# KiCad board AMC_FMC_Carrier-PcbDoc.kicad_pcb (continued)
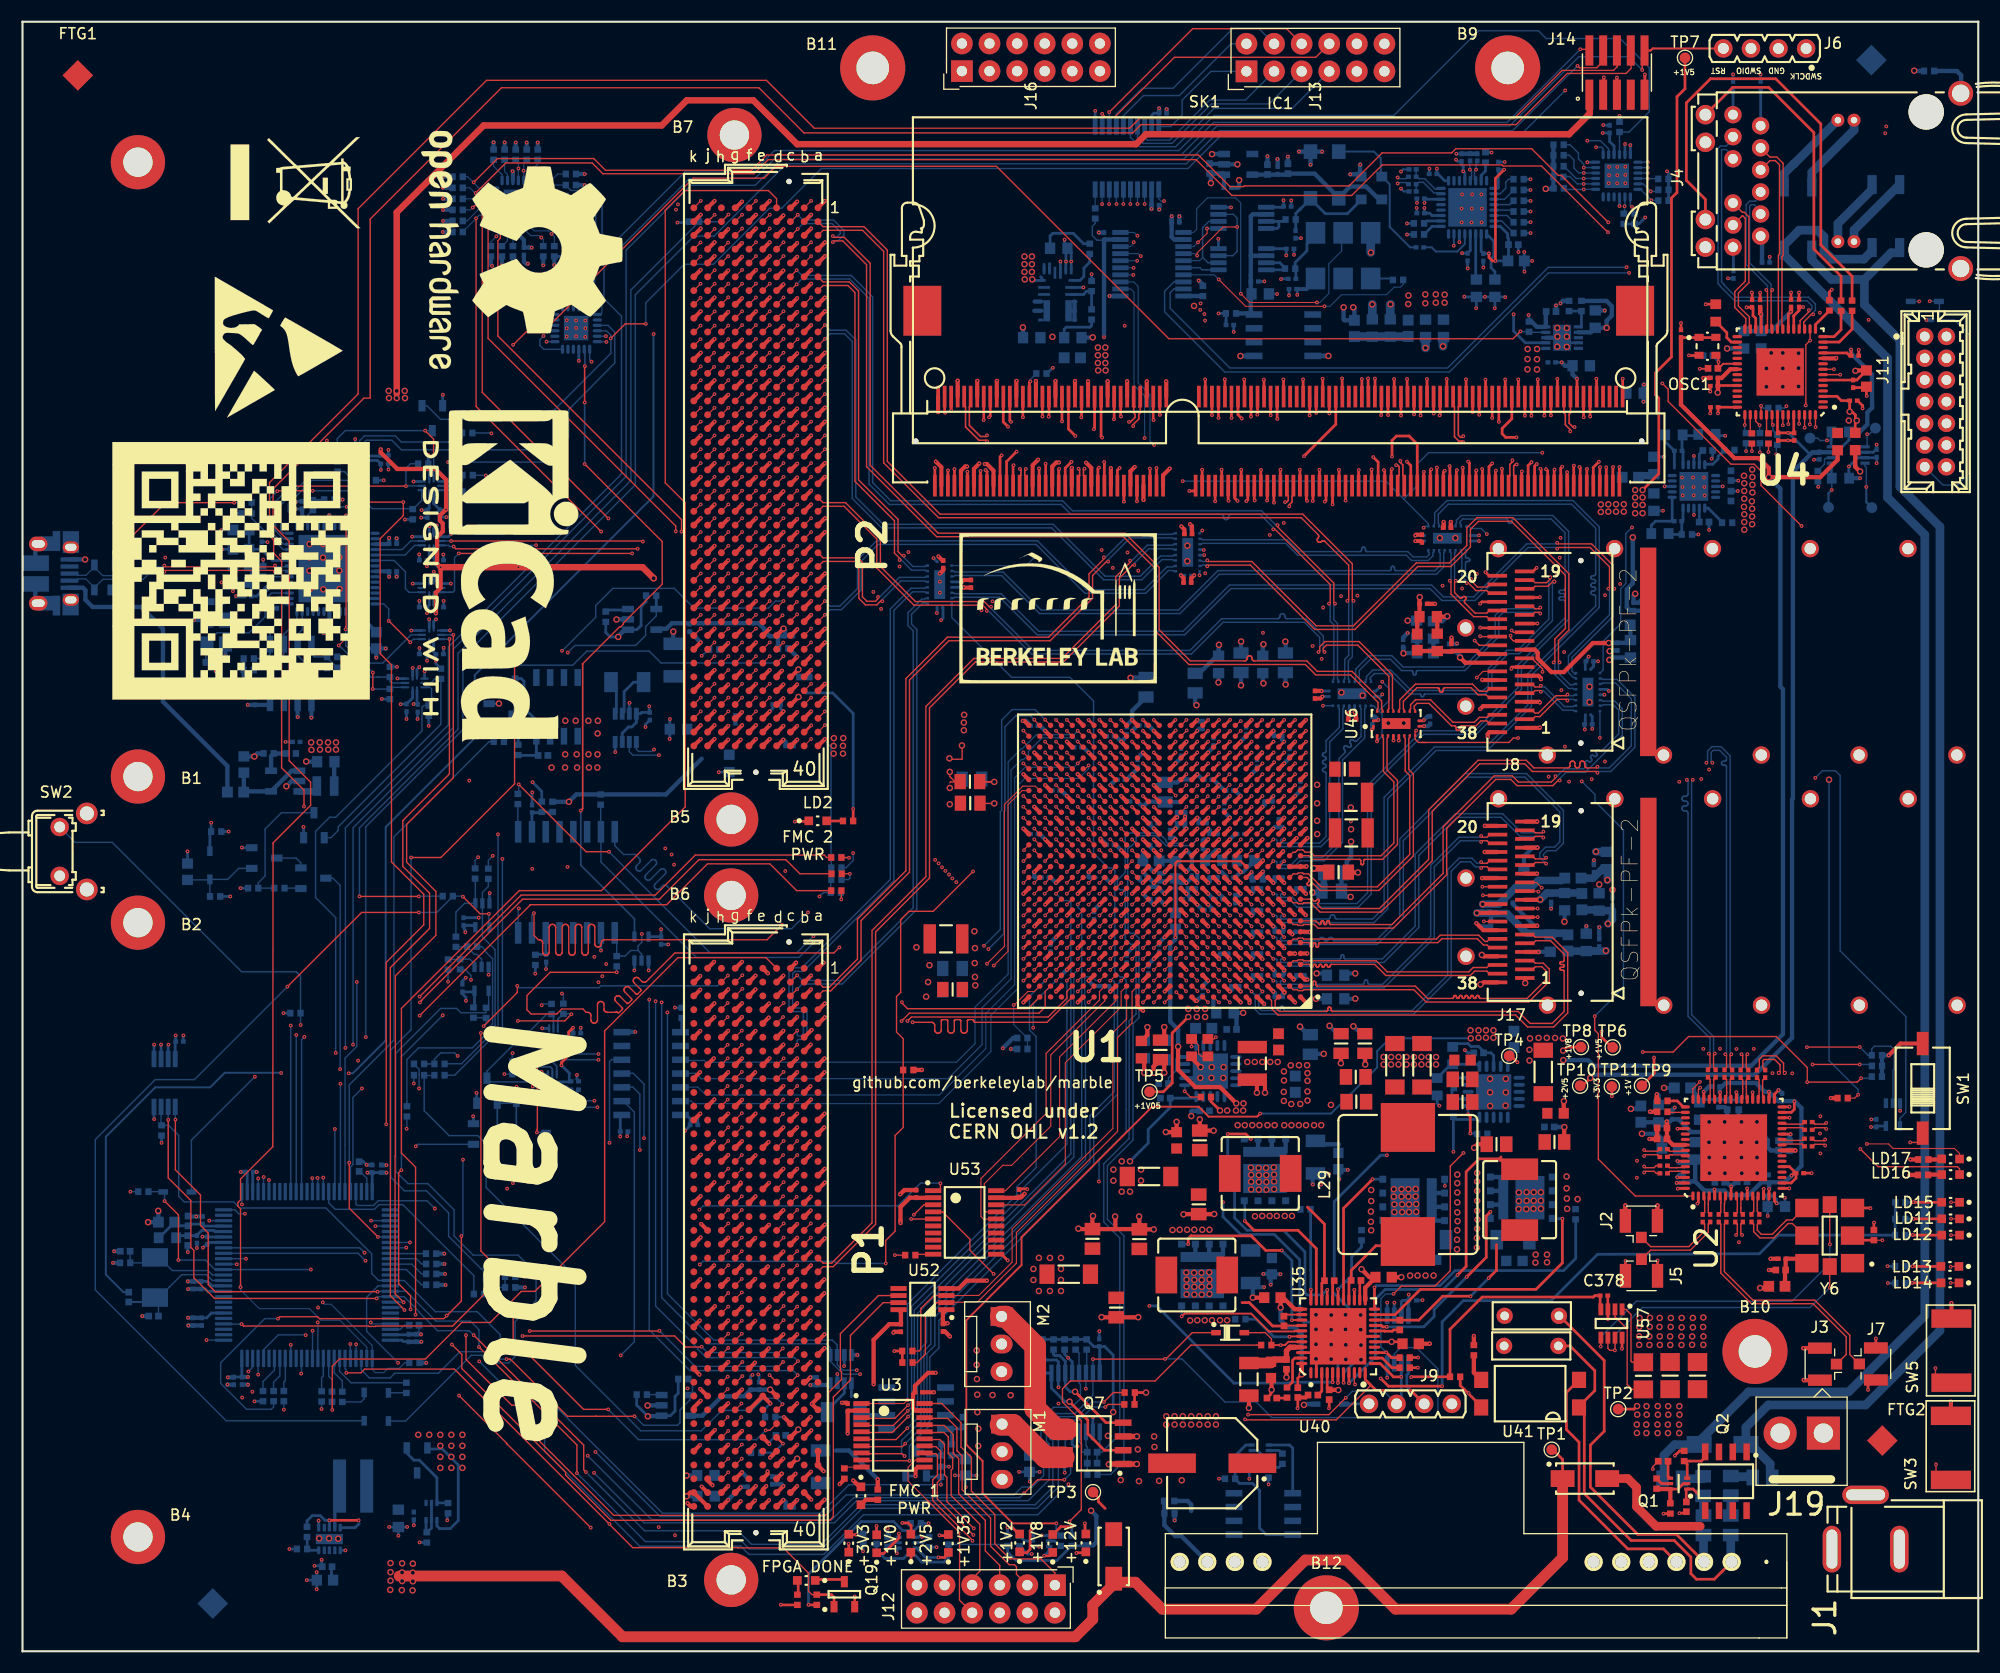
[diagram p0: board, top side]
## Routing (per net, layer and track width the routed paths; a pad name or vN(x,y) marks a point on that pad's centre or on a via; arc(x,y) is an arc through that point) (continued)
/FMC2_TDO: length 43.8
  Top w0.127: P2.D31 69.4,94.82 v1(69.95,95.37)
  In4.Cu w0.127: v1(69.95,95.37) 69.59,95.01 55.74,95.01 53.92,93.19 53.92,93.01 44.37,83.45 44.37,74.31 v1(43.28,73.22)
  GND5.Cu w0.127: 43.45,73.39 v1(43.28,73.22)
  Bottom w0.127: 42.89,72.04 R280.1 42.87,72.81 v1(43.28,73.22)
/FMC2_TMS: length 63.6
  Top w0.127: P2.D33 69.4,92.24 v1(70.01,92.85)
  In4.Cu w0.127: v1(70.01,92.85) 69.56,93.31 55.51,93.31 55.43,93.23 55.39,93.23 44.89,82.73 44.89,73.66 v1(44.17,72.94)
  GND5.Cu w0.127: 44.34,73.11 v1(44.17,72.94)
  Bottom w0.127: 38.8,53.03 39.77,53.03 44.17,57.42 v1(44.17,72.94)
/FMC2_TRST: length 93.8
  Top w0.112: P2.D34 v1(70.04,91.6)
  Top w0.127: v1(45.46,90.77) 45.29,90.6 45.29,79.85 38.5,73.07 v1(35.76,73.07)
  Bottom w0.127: R289.1 42.23,35.18 39.21,38.2 39.21,40.35 37.18,42.38 35.15,42.38 33.89,43.64 33.89,55.35 35.76,57.22 v1(35.76,73.07) ; v1(70.04,91.6) 69.42,90.97 58.77,90.97 57.68,92.07 51.94,92.07 50.64,90.77 v1(45.46,90.77)
/FMC_1/FMC1_3P3VAUX: length 9.2
  Top w0.4: P1.D32 68.82,24.08 v2(68.81,24.08)
  Bottom w0.4: 61.42,21.68 62.57,21.68 64.36,23.47 66.42,23.47 67,24.05 C66.1 67.01,24.08 v2(68.81,24.08)
/FMC_1/FMC1_CLK0_M2C_N: length 45.3
  Top w0.11: U1.E17 v1(101.12,63.73)
  Top w0.112: v1(64.9,58.38) 64.32,57.8 P1.H5
  In7.Cu w0.1: v1(64.9,58.38) 65.41,58.89 75.98,58.89 78.32,56.55 97.84,56.55 99.77,58.48 99.77,59.54 99.77,59.55 99.77,59.88 99.77,59.88 99.77,61.56 99.77,61.56 99.77,61.9 99.95,62.08 99.96,62.08 99.97,62.09 100.41,62.09 100.77,62.45 100.77,62.56 100.77,62.56 100.77,62.9 100.77,62.9 100.77,63.95 100.91,64.09 101.07,64.09 101.12,64.04 v1(101.12,63.73)
/FMC_1/FMC1_CLK0_M2C_P: length 45.3
  Top w0.11: U1.F17 v1(101.12,64.73)
  Top w0.112: v1(64.9,59.68) 64.32,59.1 P1.H4
  In7.Cu w0.1: v1(101.12,64.73) 101.12,64.43 101.07,64.38 100.79,64.38 100.48,64.07 100.48,63.02 100.48,63.02 100.48,62.57 100.29,62.38 99.85,62.38 99.84,62.37 99.83,62.37 99.48,62.02 99.48,61.44 99.48,59.42 99.48,58.6 97.72,56.84 78.44,56.84 76.11,59.18 65.41,59.18 v1(64.9,59.68)
/FMC_1/FMC1_CLK1_M2C_N: length 42.9
  Top w0.11: U1.D18 100.12,62.73 v1(100.12,62.73)
  Top w0.112: P1.G3 65.6,60.33 v1(66.25,60.98)
  In7.Cu w0.1: v1(100.12,62.73) 99.76,63.09 98.96,63.09 98.77,62.89 98.77,60.56 98.77,60.56 98.77,59.37 97.96,58.56 80.35,58.56 75.12,63.8 71.08,63.8 68.74,61.46 66.73,61.46 v1(66.25,60.98)
/FMC_1/FMC1_CLK1_M2C_P: length 42.9
  Top w0.11: U1.E18 100.12,63.73 v1(100.12,63.73)
  Top w0.112: v1(66.25,62.23) 65.62,61.6 P1.G2
  In7.Cu w0.1: v1(100.12,63.73) 99.76,63.38 98.84,63.38 98.84,63.37 98.83,63.37 98.48,63.02 98.48,60.44 98.48,60.44 98.48,59.49 97.84,58.85 80.47,58.85 75.24,64.09 70.96,64.09 68.62,61.75 66.73,61.75 v1(66.25,62.23)
/FMC_1/FMC1_FUSE: length 39.4
  Top w0.127: v1(44.55,26.89) 44.9,26.89 50.16,21.63 52.83,21.63 ; 52.83,21.63 52.73,21.63 ; 52.83,21.63 v1(56.32,21.63)
  Bottom w0.127: v1(56.32,21.63) 56.34,21.63 57.16,20.81 60.28,20.81 60.51,21.03 60.51,22.22 61.42,23.12 61.42,23.58 61.67,23.83 61.67,24.68 R260.2 ; U54.78 31.18,25.9 31.92,25.16 33.83,25.16 34.26,25.59 38.28,25.59 40.26,27.57 42.85,27.57 43.53,26.89 v1(44.55,26.89)
/FMC_1/FMC1_GBTCLK0_M2C_N: length 168.5
  Top w0.112: P1.D5 69.41,57.79 v1(70,58.38)
  Top w0.13: v1(161.64,53.24) 161.75,53.35 161.75,53.98 161.25,54.48 160.29,54.48 160.18,54.36 160.18,53.74 160.39,53.53 C86.2
  In4.Cu w0.1: v1(70,58.38) 69.52,58.86 63.62,58.86 63.21,58.45 63.21,28.39 63.22,28.37 63.22,27.79 63.21,27.78 63.21,23.72 64.61,22.32 79.51,22.32 88.2,31.01 88.2,31.64 89.4,32.84 92.67,32.84 93.21,32.3 97.45,32.3 101.35,36.2 112.34,36.2 114.67,38.53 121.79,38.53 124.3,36.01 135.36,36.01 137.85,38.5 142.44,38.5 145.22,41.27 145.22,45.32 145.21,45.37 145.2,45.41 145.17,45.45 145.14,45.48 145.1,45.5 145.06,45.52 145.02,45.52 144.98,45.52 144.94,45.53 144.89,45.54 144.86,45.57 144.82,45.6 144.8,45.64 144.79,45.68 144.78,45.72 144.79,45.77 144.8,45.81 144.82,45.85 144.86,45.88 144.89,45.9 144.94,45.92 144.98,45.92 145.02,45.92 145.06,45.93 145.1,45.94 145.14,45.97 145.17,46 145.2,46.04 145.21,46.08 145.22,46.12 145.21,46.17 145.2,46.21 145.17,46.25 145.14,46.28 145.1,46.3 145.06,46.32 145.02,46.32 144.98,46.32 144.94,46.33 144.89,46.34 144.86,46.37 144.82,46.4 144.8,46.44 144.79,46.48 144.78,46.52 144.79,46.57 144.8,46.61 144.82,46.65 144.86,46.68 144.89,46.7 144.94,46.72 144.98,46.72 145.02,46.72 145.06,46.73 145.1,46.74 145.14,46.77 145.17,46.8 145.2,46.84 145.21,46.88 145.22,46.92 145.21,46.97 145.2,47.01 145.17,47.05 145.14,47.08 145.1,47.1 145.06,47.12 145.02,47.12 144.98,47.12 144.94,47.13 144.89,47.14 144.86,47.17 144.82,47.2 144.8,47.24 144.79,47.28 144.78,47.32 144.79,47.37 144.8,47.41 144.82,47.45 144.86,47.48 144.89,47.5 144.94,47.52 144.98,47.52 145.02,47.52 145.06,47.53 145.1,47.54 145.14,47.57 145.17,47.6 145.2,47.64 145.21,47.68 145.22,47.72 145.22,49.4 149.23,53.41 159.39,53.41 160.26,52.55 161.54,52.55 161.77,52.78 161.77,53.11 v1(161.64,53.24)
/FMC_1/FMC1_GBTCLK0_M2C_P: length 169.6
  Top w0.112: v1(70.05,59.68) 69.43,59.06 P1.D4
  Top w0.13: v1(162.19,53.24) 162.08,53.35 162.08,54.12 161.39,54.81 160.16,54.81 159.85,54.5 159.85,53.74 159.64,53.53 C98.2
  In4.Cu w0.1: v1(162.19,53.24) 162.06,53.11 162.06,52.66 161.66,52.26 160.13,52.26 159.27,53.12 149.35,53.12 145.51,49.28 145.51,41.15 142.56,38.21 137.97,38.21 135.48,35.72 124.18,35.72 121.67,38.24 114.79,38.24 112.46,35.91 101.47,35.91 97.57,32.01 93.09,32.01 92.55,32.55 89.52,32.55 88.49,31.52 88.49,30.89 79.63,22.03 64.49,22.03 62.92,23.6 62.92,27.9 62.93,27.91 62.93,28.25 62.92,28.27 62.92,58.57 63.5,59.15 69.52,59.15 v1(70.05,59.68)
/FMC_1/FMC1_GBTCLK1_M2C_N: length 134
  Top w0.112: 71.94,37.47 v1(72.55,38.08)
  Top w0.13: C87.2 158.65,53.7 158.65,54.85 v1(158.76,54.96)
  In4.Cu w0.1: v1(158.76,54.96) 158.63,55.09 158.63,55.76 157.92,56.47 146.29,56.47 142.29,52.47 142.25,52.44 142.21,52.42 142.17,52.41 142.12,52.41 142.08,52.42 142.04,52.44 142,52.47 141.98,52.49 141.94,52.52 141.9,52.54 141.86,52.55 141.82,52.55 141.77,52.54 141.73,52.52 141.7,52.49 141.67,52.46 141.65,52.42 141.64,52.37 141.64,52.33 141.65,52.28 141.67,52.24 141.7,52.21 141.72,52.18 141.75,52.15 141.77,52.11 141.78,52.07 141.78,52.02 141.77,51.98 141.75,51.94 141.72,51.9 138.25,48.43 127.39,48.43 120.88,41.92 111.28,41.92 110.93,42.27 108.28,42.27 107.58,41.58 97.08,41.58 79.67,24.16 72.33,24.16 71.6,24.9 64.57,24.9 64.4,25.07 64.4,38.08 64.91,38.59 72.05,38.59 v1(72.55,38.08)
/FMC_1/FMC1_GBTCLK1_M2C_P: length 134
  Top w0.112: 71.91,38.74 v1(72.55,39.38)
  Top w0.13: C99.2 158.13,53.55 158.32,53.74 158.32,54.85 v1(158.21,54.96)
  In4.Cu w0.1: v1(158.21,54.96) 158.34,55.09 158.34,55.64 157.8,56.18 146.41,56.18 138.37,48.14 127.51,48.14 121,41.63 111.16,41.63 110.81,41.98 108.4,41.98 107.7,41.29 97.2,41.29 79.79,23.87 72.21,23.87 71.48,24.61 64.45,24.61 64.11,24.95 64.11,38.2 64.79,38.88 72.05,38.88 v1(72.55,39.38)
/FMC_1/FMC1_PG_C2M: length 71.9
  Top w0.127: P1.D1 68.42,63.85 60.32,63.85 53.57,57.1 53.57,39.55 47.15,33.13 45.91,33.13 43.05,30.27 40.44,30.27 37.07,26.9 29.17,26.9 28.51,26.24 v1(28.51,22.22)
  Bottom w0.127: v1(28.51,22.22) 28.51,22.94 R153.1
/FMC_1/I2C_FMC1_SCL: length 127.3
  Top w0.127: v1(53.92,104.28) 42.31,115.89 v1(42.31,132.69) ; P1.C30 70.7,26.04 v1(71.37,26.71)
  In2.Cu w0.127: v1(53.92,104.28) 53.92,87.72 57.54,84.1 57.54,67.14 58.27,66.41 v1(58.27,59.83)
  Bottom w0.102: U5.2 41.94,132.69 40.91,131.66 R45.1
  Bottom w0.127: 63.51,27.03 71.05,27.03 v1(71.37,26.71) ; 63.51,27.03 63.41,27.03 ; 63.51,27.03 62.93,27.03 62.14,27.82 62.14,27.9 58.27,31.78 v1(58.27,59.83) ; 42.25,132.69 v1(42.31,132.69)
/FMC_1/I2C_FMC1_SDA: length 129.1
  Top w0.127: P1.C31 70.7,24.77 v1(71.35,25.42) ; v1(41.74,131.91) 41.74,114.59 v1(53.26,103.07)
  In2.Cu w0.127: 57.12,76.95 57.12,77.04 ; 57.12,76.95 57.12,69.03 ; 57.12,76.95 57.12,83.64 53.26,87.5 v1(53.26,103.07) 53.25,103.07 ; 57.12,69.03 57.12,66.69 57.34,66.48 57.34,64.62 57.21,64.5 57.21,60.45 v1(57.68,59.99) ; 57.12,69.03 57.12,68.94
  Bottom w0.102: R46.1 40.52,130.67 41.74,131.89 v1(41.74,131.91) 42.03,132.19 U5.1
  Bottom w0.127: v1(71.35,25.42) 70.93,25.83 61.43,25.83 57.68,29.58 v1(57.68,59.99)
/FMC_2/CLK_DIR: length 0.9
  Top w0.112: P2.B1 v1(72.58,133.51)
/FMC_2/FMC2_3P3VAUX: length 15.3
  Top w0.4: P2.D32 v2(70.04,94.14)
  Bottom w0.4: 69.54,92.62 69.54,93.41 69.56,93.44 ; 69.56,93.44 C10.1 70.18,93.99 v2(70.04,94.14) ; 69.56,93.44 68.76,93.44 68.29,93.91 68.29,94.09 67.74,94.64 67.26,94.64 67.24,94.62 67.22,94.64 64.72,94.64 64.71,94.63 62.67,94.63 62.66,94.64 62.18,94.64 62.17,94.63 59.77,94.63 59.26,94.12 58.15,94.12
/FMC_2/FMC2_CLK0_M2C_N: length 76
  Top w0.11: U1.AA24 v1(94.12,80.73)
  Top w0.112: 64.32,127.79 v1(64.94,128.42)
  In4.Cu w0.1: v1(64.94,128.42) 64.46,128.9 62.2,128.9 61.97,128.66 61.97,112.88 62.11,112.73 74.62,112.73 80.4,106.95 80.4,103.73 82.67,101.46 82.67,98.1 91.16,89.61 91.16,80.6 91.39,80.37 94.2,80.37 94.3,80.47 94.3,80.55 v1(94.12,80.73)
/FMC_2/FMC2_CLK0_M2C_P: length 77.5
  Top w0.11: U1.Y23 v1(95.12,79.73)
  Top w0.112: 64.34,129.06 v1(64.94,129.67)
  In4.Cu w0.1: v1(95.12,79.73) 94.77,80.08 91.27,80.08 90.87,80.48 90.87,89.49 82.38,97.98 82.38,101.34 80.11,103.61 80.11,106.83 74.5,112.44 61.99,112.44 61.68,112.76 61.68,128.78 62.08,129.19 64.46,129.19 v1(64.94,129.67)
/FMC_2/FMC2_CLK1_M2C_N: length 104.4
  Top w0.11: U1.E23 v1(95.12,63.73)
  Top w0.112: P2.G3 v1(66.23,130.97)
  In4.Cu w0.1: v1(66.23,130.97) 66.23,131.37 66.31,131.46 66.67,131.46 66.7,131.42 66.7,130.63 66.51,130.44 60.86,130.44 59.99,129.58 59.99,105.03 61.52,103.5 71.46,103.5 71.84,103.13 71.84,91.24 72.2,90.88 73.32,90.88 74.6,89.59 74.6,88.15 78.23,84.53 78.23,75.3 80.06,73.47 86.56,73.47 87.85,72.18 87.85,67.58 88.18,67.25 88.18,65.9 90,64.09 95.25,64.09 95.33,64.01 95.33,63.94 v1(95.12,63.73)
/FMC_2/FMC2_CLK1_M2C_P: length 104.9
  Top w0.11: U1.F22 96.12,64.73 v1(96.12,64.73)
  Top w0.112: P2.G2 v1(66.23,132.24)
  In4.Cu w0.1: v1(96.12,64.73) 95.77,64.38 93.95,64.38 90.12,64.38 88.47,66.02 88.47,67.37 88.14,67.7 88.14,72.3 86.68,73.76 80.18,73.76 78.52,75.42 78.52,84.65 74.89,88.27 74.89,89.71 73.44,91.17 72.32,91.17 72.13,91.36 72.13,103.25 71.58,103.79 61.64,103.79 60.28,105.15 60.28,129.46 60.98,130.15 66.63,130.15 66.99,130.51 66.99,131.54 66.79,131.75 66.31,131.75 66.23,131.83 v1(66.23,132.24)
/FMC_2/FMC2_DP4_M2C_N: length 0.9
  Top w0.112: P2.A15 v1(73.85,115.73)
/FMC_2/FMC2_DP4_M2C_P: length 0.9
  Top w0.112: P2.A14 v1(73.85,117)
/FMC_2/FMC2_DP5_C2M_N: length 0.9
  Top w0.112: P2.A39 v1(73.85,85.25)
/FMC_2/FMC2_DP5_C2M_P: length 0.9
  Top w0.112: P2.A38 v1(73.85,86.52)
/FMC_2/FMC2_DP5_M2C_N: length 0.9
  Top w0.112: P2.A19 v1(73.85,110.65)
/FMC_2/FMC2_DP5_M2C_P: length 0.9
  Top w0.112: P2.A18 v1(73.85,111.92)
/FMC_2/FMC2_DP6_C2M_N: length 0.9
  Top w0.112: P2.B37 v1(72.58,87.79)
/FMC_2/FMC2_DP6_C2M_P: length 0.9
  Top w0.112: P2.B36 v1(72.58,89.06)
/FMC_2/FMC2_DP6_M2C_N: length 0.9
  Top w0.112: P2.B17 v1(72.58,113.19)
/FMC_2/FMC2_DP6_M2C_P: length 0.9
  Top w0.112: P2.B16 v1(72.58,114.46)
/FMC_2/FMC2_DP7_C2M_N: length 0.9
  Top w0.112: P2.B33 v1(72.58,92.87)
/FMC_2/FMC2_DP7_C2M_P: length 0.9
  Top w0.112: P2.B32 v1(72.58,94.14)
/FMC_2/FMC2_DP7_M2C_N: length 0.9
  Top w0.112: P2.B13 v1(72.58,118.27)
/FMC_2/FMC2_DP7_M2C_P: length 0.9
  Top w0.112: P2.B12 v1(72.58,119.54)
/FMC_2/FMC2_DP8_C2M_N: length 0.9
  Top w0.112: P2.B29 v1(72.58,97.95)
/FMC_2/FMC2_DP8_C2M_P: length 0.9
  Top w0.112: P2.B28 v1(72.58,99.22)
/FMC_2/FMC2_DP8_M2C_N: length 0.9
  Top w0.112: P2.B9 v1(72.58,123.35)
/FMC_2/FMC2_DP8_M2C_P: length 0.9
  Top w0.112: P2.B8 v1(72.58,124.62)
/FMC_2/FMC2_DP9_C2M_N: length 0.9
  Top w0.112: P2.B25 v1(72.58,103.03)
/FMC_2/FMC2_DP9_C2M_P: length 0.9
  Top w0.112: P2.B24 v1(72.58,104.3)
/FMC_2/FMC2_DP9_M2C_N: length 0.9
  Top w0.112: P2.B5 v1(72.58,128.43)
/FMC_2/FMC2_DP9_M2C_P: length 0.9
  Top w0.112: P2.B4 v1(72.58,129.7)
/FMC_2/FMC2_FUSE: length 89.8
  In7.Cu w0.127: v1(50.19,91.94) 42.58,84.33 42.58,62.62 41.15,61.19 41.15,49.42 41.13,49.4 41.13,44.53 39.49,42.89 39.47,42.89 39.47,29.3 38.07,27.91 31.06,27.91 v1(30.71,28.26)
  Bottom w0.127: v1(30.71,28.26) 30.71,26.98 U54.79 ; v1(50.19,91.94) 50.84,92.59 56.42,92.59 57.35,93.51 57.35,94.33 58.33,95.31 U55.4
  Bottom w0.254: R258.2 58.33,95.94 U55.4
/FMC_2/FMC2_GBTCLK0_M2C_N: length 161.2
  Top w0.112: P2.D5 v1(70.04,128.43)
  Top w0.13: v1(157.27,54.96) 157.16,54.85 157.16,53.71 C88.2
  In2.Cu w0.1: v1(154.98,81.79) 155.11,81.92 155.11,96.91 151.77,100.25 151.77,123.81 149.62,125.96 128.93,125.96 127.69,127.2 121.54,127.2 119.83,128.92 70.53,128.92 v1(70.04,128.43)
  Bottom w0.13: v1(154.98,81.79) 155.09,81.9 155.09,82.88 155.48,83.26 156.33,83.26 157.16,82.43 157.16,55.07 v1(157.27,54.96)
/FMC_2/FMC2_GBTCLK0_M2C_P: length 161.2
  Top w0.112: P2.D4 v1(70.04,129.7)
  Top w0.13: v1(156.72,54.96) 156.83,54.85 156.83,53.71 C100.2
  In2.Cu w0.1: v1(70.04,129.7) 70.53,129.21 119.95,129.21 121.66,127.49 127.81,127.49 129.05,126.25 149.74,126.25 152.06,123.93 152.06,100.37 155.4,97.03 155.4,81.92 v1(155.53,81.79)
  Bottom w0.13: v1(155.53,81.79) 155.42,81.9 155.42,82.74 155.62,82.93 156.19,82.93 156.83,82.29 156.83,82.1 156.83,82.06 156.81,82.02 156.79,81.99 156.76,81.96 156.73,81.94 156.69,81.93 156.65,81.92 156.54,81.92 156.5,81.92 156.46,81.9 156.43,81.88 156.4,81.85 156.38,81.82 156.37,81.78 156.36,81.75 156.37,81.71 156.38,81.67 156.4,81.64 156.43,81.61 156.46,81.59 156.5,81.58 156.54,81.57 156.65,81.57 156.69,81.57 156.73,81.55 156.76,81.53 156.79,81.5 156.81,81.47 156.83,81.43 156.83,81.4 156.83,55.07 v1(156.72,54.96)
/FMC_2/FMC2_GBTCLK1_M2C_N: length 210.2
  Top w0.112: P2.B21 v1(72.58,108.11)
  Top w0.13: v1(155.75,55.02) 155.64,54.91 155.64,53.72 C89.2
  In9.Cu w0.1: v1(153.72,80.22) 153.6,80.34 153.6,84.21 162.11,92.72 162.11,110.96 161.09,111.97 158.08,111.97 156.85,113.2 155.07,113.2 152.68,115.6 152.68,121.03 147.78,125.93 129.08,125.93 122.6,132.41 115.86,132.41 114.12,134.15 104.97,134.15 104.51,134.6 94.9,134.6 89.52,129.23 61.91,129.23 61.54,128.85 61.54,108.96 61.9,108.6 72.09,108.6 v1(72.58,108.11)
  Bottom w0.13: v1(155.75,55.02) 155.64,55.13 155.64,56.57 153.62,58.59 153.62,80.11 v1(153.72,80.22)
/FMC_2/FMC2_GBTCLK1_M2C_P: length 210.2
  Top w0.112: P2.B20 v1(72.58,109.38)
  Top w0.13: C101.2 155.31,53.72 155.31,54.91 v1(155.2,55.02)
  In9.Cu w0.1: v1(72.58,109.38) 72.09,108.89 62.02,108.89 61.83,109.08 61.83,128.73 62.03,128.94 89.64,128.94 95.02,134.31 104.39,134.31 104.85,133.86 114,133.86 115.74,132.12 122.48,132.12 128.96,125.64 147.66,125.64 152.39,120.91 152.39,115.48 154.95,112.91 156.73,112.91 157.96,111.68 160.97,111.68 161.82,110.84 161.82,92.84 153.31,84.33 153.31,80.34 v1(153.18,80.22)
  Bottom w0.13: v1(153.18,80.22) 153.29,80.11 153.29,78.93 153.28,78.88 153.26,78.84 153.24,78.79 153.2,78.76 153.16,78.73 153.11,78.71 153.06,78.71 152.95,78.71 152.9,78.7 152.86,78.69 152.81,78.66 152.78,78.62 152.75,78.58 152.74,78.53 152.73,78.48 152.74,78.43 152.75,78.39 152.78,78.34 152.81,78.31 152.86,78.28 152.9,78.26 152.95,78.26 153.06,78.26 153.11,78.25 153.16,78.24 153.2,78.21 153.24,78.17 153.26,78.13 153.28,78.08 153.29,78.03 153.28,77.98 153.26,77.94 153.24,77.89 153.2,77.86 153.16,77.83 153.11,77.81 153.06,77.81 152.95,77.81 152.9,77.8 152.86,77.79 152.81,77.76 152.78,77.72 152.75,77.68 152.74,77.63 152.73,77.58 152.74,77.53 152.75,77.49 152.78,77.44 152.81,77.41 152.86,77.38 152.9,77.36 152.95,77.36 153.06,77.36 153.11,77.35 153.16,77.34 153.2,77.31 153.24,77.27 153.26,77.23 153.28,77.18 153.29,77.13 153.29,58.46 155.31,56.44 155.31,55.13 v1(155.2,55.02)
/FMC_2/FMC2_PG_C2M: length 143.3
  Top w0.127: P2.D1 69.4,133.71 68.65,134.46 60.96,134.46 59.15,132.65 59.15,107.56 60.99,105.72 60.99,77.72 53.29,70.02 45.72,70.02 34.87,59.17 34.87,45.86 36.18,44.56 v1(36.18,30.98)
  In2.Cu w0.127: v1(27.52,22.3) 36.18,30.96 v1(36.18,30.98)
  Bottom w0.127: R154.1 27.53,22.32 v1(27.52,22.3)
/FMC_2/GBTCLK2_M2C_N: length 0.9
  Top w0.112: v1(62.4,128.38) 61.81,127.79 P2.K5
/FMC_2/GBTCLK2_M2C_P: length 0.9
  Top w0.112: v1(62.4,129.68) 61.78,129.06 P2.K4
/FMC_2/GBTCLK3_M2C_N: length 0.9
  Top w0.112: P2.J3 63.1,130.33 v1(63.7,130.93)
/FMC_2/GBTCLK3_M2C_P: length 0.9
  Top w0.112: v1(63.7,132.23) 63.39,131.92 63.37,131.92 P2.J2
/FMC_2/I2C_FMC2_SCL: length 58.9
  Top w0.127: P2.C30 70.71,96.04 v1(71.27,96.6) ; v1(60.65,103.06) 60.65,104.17 43.75,121.07 43.75,129.84 43.97,130.07 43.97,132.9 43.2,133.67 v1(41.95,133.67)
  In4.Cu w0.127: v1(71.27,96.6) 70.81,97.06 70.81,99.36 70.23,99.94 61.69,99.94 60.65,100.98 v1(60.65,103.06)
  Bottom w0.102: R47.1 43.43,133.7 U5.4
/FMC_2/I2C_FMC2_SDA: length 60
  Top w0.127: v1(60.12,103.09) 60.12,103.58 42.85,120.86 42.85,132.95 42.72,133.07 41.61,133.07 v1(41.44,132.9) ; P2.C31 70.67,94.82 v1(71.29,95.44)
  In4.Cu w0.127: v1(60.12,103.09) 60.12,100.9 61.44,99.58 70.1,99.58 70.43,99.25 70.43,96.31 v1(71.29,95.44)
  Bottom w0.102: R48.1 41.22,132.68 41.73,133.19 U5.3
/FMC_2/PG_M2C: length 0.9
  Top w0.112: P2.F1 v1(67.5,133.51)
/FMC_2/RES0: length 0.9
  Top w0.102: P2.B40 v1(72.58,83.98)
/FMC_2/VREF_B_M2C: length 0.9
  Top w0.112: P2.K1 v1(62.42,133.51)
/FMC_TCK: length 17.7
  In4.Cu w0.127: v1(31.24,51.81) v1(36.5,51.81)
  Bottom w0.127: 36.01,54.08 R239.2 36.03,54.05 36.5,53.58 v1(36.5,51.81) ; 30.18,42.31 30.18,44.58 30.41,44.81 30.41,50.98 v1(31.24,51.81)
/FMC_TDI: length 29.3
  In4.Cu w0.127: v1(39.16,61.64) 30.79,61.64 v1(30.77,61.61)
  Bottom w0.127: v1(30.77,61.61) 30.77,55.68 29.68,54.6 29.68,42.31 ; R237.1 v1(39.16,61.64)
/FMC_TDO: length 13.5
  In4.Cu w0.127: v1(28.75,48.07) 35.33,48.07 v1(35.35,48.1)
  Bottom w0.127: v1(28.75,48.07) 28.75,42.38 28.68,42.31 ; v1(35.35,48.1) 35.38,48.12 R275.2
/FMC_TMS: length 17.5
  In4.Cu w0.127: v1(36.01,52.26) 29.28,52.26 v1(29.26,52.24)
  Bottom w0.127: v1(36.01,52.26) 36.03,52.28 R240.2 ; v1(29.26,52.24) 29.26,42.38 29.18,42.31 ; 36.07,52.99 36.05,53
/FMC_TRST: length 19.2
  Bottom w0.127: R290.2 41.54,34.57 35,41.11 32.81,41.11 32.38,40.68 28.78,40.68 28.19,41.27 28.19,42.3 28.18,42.31
/FPGA/CCLK: length 80
  Top w0.102: U1.C8 v1(111.12,61.73)
  In4.Cu w0.127: v1(111.12,61.73) 111.63,62.24 111.63,64.81 111.24,65.19 110.84,65.19 110.56,65.47 110.56,65.82 110.11,66.27 106.16,66.27 105.23,67.2 101.06,67.2 100.5,67.76 100.5,68.32 v1(100.07,68.75) ; v1(45.68,68.38) 59.78,68.38 64.21,72.81 69.21,72.81 v1(70.2,71.82)
  In9.Cu w0.127: v1(100.07,68.75) 99.69,68.36 91.85,68.36 91.56,68.65 81.84,68.65 77.59,72.89 77.59,73.07 76.81,73.85 75.84,73.85 73.81,71.82 v1(70.2,71.82)
  Bottom w0.127: U30.16 45.62,68.31 v1(45.68,68.38)
/FPGA/CFG_WP_B: length 62.3
  Top w0.127: 51.53,90.88 54.95,94.31 55.06,94.31 55.3,94.55 55.3,94.65 58.87,98.22 58.87,102.15 v1(51.74,109.29)
  Top w0.15: 51.53,90.88 51.56,90.86 51.56,77.56 v1(51.38,77.38) ; v1(51.74,114.95) 51.74,118.28 v1(51.76,118.3)
  Bottom w0.15: v1(51.38,77.38) 51.38,72.36 56.32,67.42 U11.4 ; U39.8 51.76,119.79 v1(51.76,118.3) ; v1(51.74,114.95) v1(51.74,109.29)
/FPGA/CLK20_VCXO: length 22.7
  Top w0.102: v1(110.09,126.28) 112.57,123.8 v1(119.82,123.8)
  Bottom w0.102: v1(110.09,126.28) 109.67,126.7 109.35,126.7 ; v1(119.82,123.8) 120.33,123.8 121.4,124.87 125.54,124.87 126.24,125.57 126.81,125.57 127.07,125.82 R103.2 ; 109.35,126.7 106.92,126.7 ; 109.35,126.7 109.42,126.7
/FPGA/CLKMUX_RST: length 215.5
  Top w0.127: U2.1 148.43,41.91 145.03,45.3 145.03,56.85 144.7,57.18 v1(144.7,58.46)
  In7.Cu w0.127: v1(143.51,80.08) 143.51,81.63 151.48,89.59 151.48,118.51 150.58,119.41 150.58,126.72 146.29,131.02 146.29,134.24 145.65,134.88 145.65,136.05 144.29,137.41 143.05,137.41 142.39,136.75 131.56,136.75 131.12,137.19 116.57,137.19 116.4,137.02 114.67,137.02 114.35,137.34 109.69,137.34 106.86,134.51 77.06,134.51 74.38,131.83 61.68,131.83 59.9,130.05 55.4,130.05 51.89,126.53 51.51,126.53 50.57,125.59 50.57,124.59 48.52,122.55 v1(48.26,122.55)
  Bottom w0.102: U39.17 48.26,122.55 v1(48.26,122.55)
  Bottom w0.127: v1(144.7,58.46) 147.34,61.1 147.34,75.61 144.73,78.22 144.73,78.86 v1(143.51,80.08)
/FPGA/DDR3_CAS_N: length 39
  Top w0.254: 110.65,85.24 v1(111.15,85.74) ; v1(120.57,105.58) 120.57,105.58 SK1.115
  In7.Cu w0.135: v1(120.57,105.58) 120.57,108.73 120.04,109.26 119.22,109.26 117.46,107.5 117.46,101.83 112.62,96.99 112.62,96.66 112.61,96.6 112.59,96.53 112.56,96.47 112.51,96.43 112.45,96.39 112.39,96.37 112.32,96.36 112.07,96.36 112.01,96.35 111.94,96.33 111.89,96.3 111.84,96.25 111.8,96.19 111.78,96.13 111.77,96.06 111.78,96 111.8,95.93 111.84,95.87 111.89,95.83 111.94,95.79 112.01,95.77 112.07,95.76 112.67,95.76 112.68,95.76 112.69,95.76 112.7,95.75 112.71,95.74 112.72,95.73 112.72,95.72 112.72,95.71 112.72,95.21 112.72,95.2 112.72,95.19 112.71,95.18 112.7,95.17 112.69,95.17 112.68,95.16 112.67,95.16 112.07,95.16 112.01,95.15 111.94,95.13 111.89,95.1 111.84,95.05 111.8,94.99 111.78,94.93 111.77,94.86 111.78,94.8 111.8,94.73 111.84,94.67 111.89,94.63 111.94,94.59 112.01,94.57 112.07,94.56 112.67,94.56 112.68,94.56 112.69,94.56 112.7,94.55 112.71,94.54 112.72,94.53 112.72,94.52 112.72,94.51 112.72,94.01 112.72,94 112.72,93.99 112.71,93.98 112.7,93.97 112.69,93.97 112.68,93.96 112.67,93.96 112.42,93.96 112.38,93.96 112.34,93.94 112.3,93.92 112.27,93.89 112.24,93.85 112.23,93.81 112.22,93.76 112.22,93.56 112.23,93.52 112.24,93.47 112.27,93.44 112.3,93.41 112.34,93.38 112.38,93.37 112.42,93.36 112.67,93.36 112.68,93.36 112.69,93.36 112.7,93.35 112.71,93.34 112.72,93.33 112.72,93.32 112.72,93.31 112.72,92.81 112.72,92.8 112.72,92.79 112.71,92.78 112.7,92.77 112.69,92.77 112.68,92.76 112.66,92.76 112.65,92.76 112.64,92.75 112.63,92.74 112.63,92.73 112.62,92.72 112.62,92.71 112.62,91.81 112.62,91.8 112.61,91.74 112.59,91.67 112.55,91.62 112.5,91.57 112.45,91.53 112.38,91.51 112.32,91.5 112.07,91.5 112,91.5 111.94,91.47 111.88,91.44 111.83,91.39 111.8,91.33 111.78,91.27 111.77,91.2 111.78,91.14 111.8,91.07 111.83,91.02 111.88,90.97 111.94,90.93 112,90.91 112.07,90.9 112.32,90.9 112.38,90.9 112.45,90.87 112.5,90.84 112.55,90.79 112.59,90.73 112.61,90.67 112.62,90.6 112.62,88.63 111.15,87.16 v1(111.15,85.74)
/FPGA/DDR3_CK_N: length 38.5
  Top w0.13: U1.AF12 v1(107.12,85.73)
  Top w0.15: SK1.103 116.97,106.47 116.84,106.34 116.84,105.79 116.59,105.54 v1(116.59,105.4)
  In4.Cu w0.1: v1(107.12,85.73) 107.12,85.46 107.07,85.41 106.86,85.41 106.76,85.51 106.76,93.3 109.22,95.76 109.23,95.77 109.24,95.77 109.25,95.77 109.25,95.76 109.37,95.65 109.42,95.61 109.48,95.58 109.55,95.56 109.61,95.56 109.68,95.58 109.74,95.61 109.79,95.65 110,95.86 110.04,95.91 110.07,95.97 110.08,96.03 110.08,96.1 110.07,96.16 110.04,96.22 110,96.28 109.52,96.75 109.52,96.76 109.51,96.77 109.51,96.78 109.51,96.79 109.51,96.8 109.52,96.81 109.52,96.82 109.67,96.97 109.68,96.98 109.69,96.98 109.7,96.98 109.71,96.98 109.73,96.98 109.74,96.98 109.74,96.97 110.22,96.5 110.27,96.45 110.33,96.43 110.39,96.41 110.46,96.41 110.53,96.43 110.59,96.45 110.64,96.5 110.85,96.71 110.89,96.76 110.92,96.82 110.93,96.88 110.93,96.95 110.92,97.01 110.89,97.07 110.85,97.13 110.37,97.6 110.37,97.61 110.36,97.62 110.36,97.63 110.36,97.64 110.36,97.65 110.37,97.66 110.37,97.67 110.52,97.82 110.53,97.83 110.54,97.83 110.55,97.83 110.56,97.83 110.57,97.83 110.58,97.83 110.59,97.82 111.07,97.34 111.12,97.3 111.18,97.27 111.24,97.26 111.31,97.26 111.37,97.27 111.43,97.3 111.49,97.34 111.7,97.55 111.74,97.61 111.77,97.67 111.78,97.73 111.78,97.8 111.77,97.86 111.74,97.92 111.7,97.97 111.22,98.45 111.21,98.46 111.21,98.47 111.21,98.48 111.21,98.49 111.21,98.5 111.21,98.51 111.22,98.52 111.37,98.67 111.38,98.67 111.39,98.68 111.4,98.68 111.41,98.68 111.42,98.68 111.43,98.67 111.44,98.67 111.92,98.19 111.97,98.15 112.03,98.12 112.09,98.11 112.16,98.11 112.22,98.12 112.28,98.15 112.33,98.19 112.55,98.4 112.59,98.46 112.62,98.51 112.63,98.58 112.63,98.65 112.62,98.71 112.59,98.77 112.55,98.82 112.31,99.06 112.31,99.06 112.07,99.3 112.07,99.31 112.06,99.32 112.06,99.33 112.06,99.34 112.06,99.35 112.07,99.36 112.07,99.37 112.22,99.52 112.23,99.53 112.24,99.53 112.25,99.53 112.26,99.53 112.27,99.53 112.28,99.53 112.29,99.52 112.41,99.4 112.47,99.36 112.53,99.33 112.6,99.31 112.67,99.31 112.74,99.33 112.81,99.36 112.86,99.4 113.3,99.84 113.3,100.95 113.29,101.03 113.27,101.1 113.23,101.16 113.18,101.21 113.12,101.25 113.05,101.27 112.97,101.28 112.81,101.28 112.8,101.28 112.79,101.29 112.77,101.29 112.77,101.3 112.76,101.31 112.76,101.32 112.75,101.33 112.75,101.53 112.76,101.55 112.76,101.56 112.77,101.57 112.77,101.58 112.79,101.58 112.8,101.59 112.81,101.59 113.97,101.59 114.07,101.6 114.16,101.63 114.24,101.68 114.3,101.75 114.35,101.83 114.38,101.92 114.39,102.01 114.39,102.06 114.38,102.15 114.35,102.24 114.3,102.32 114.24,102.39 114.16,102.44 114.07,102.47 113.97,102.48 112.81,102.48 112.8,102.48 112.79,102.49 112.77,102.49 112.77,102.5 112.76,102.51 112.76,102.52 112.75,102.53 112.75,102.73 112.76,102.75 112.76,102.76 112.77,102.77 112.77,102.78 112.79,102.78 112.8,102.79 112.81,102.79 112.97,102.79 113.05,102.8 113.12,102.82 113.18,102.86 113.23,102.91 113.27,102.97 113.29,103.04 113.3,103.11 113.3,103.24 114.94,104.89 115.89,104.89 116.4,105.4 v1(116.59,105.4)
/FPGA/DDR3_CK_P: length 39
  Top w0.11: 107.12,84.73 v1(107.15,84.76)
  Top w0.13: U1.AE12 107.12,84.73
  Top w0.15: v1(116.2,105.79) 116.34,105.79 116.49,105.94 116.49,106.34 116.37,106.47 SK1.101
  In4.Cu w0.1: v1(107.15,84.76) 107.15,85.07 107.1,85.12 106.74,85.12 106.47,85.39 106.47,93.42 109.03,95.98 109.08,96.02 109.14,96.05 109.2,96.07 109.27,96.07 109.34,96.05 109.4,96.02 109.45,95.98 109.56,95.87 109.57,95.86 109.58,95.86 109.59,95.86 109.6,95.87 109.78,96.05 109.79,96.06 109.79,96.07 109.79,96.08 109.78,96.08 109.31,96.56 109.26,96.62 109.23,96.68 109.21,96.75 109.21,96.82 109.23,96.89 109.26,96.96 109.31,97.01 109.48,97.19 109.54,97.23 109.6,97.27 109.67,97.28 109.74,97.28 109.81,97.27 109.88,97.23 109.93,97.19 110.41,96.71 110.42,96.71 110.43,96.71 110.44,96.71 110.45,96.71 110.63,96.9 110.64,96.91 110.64,96.92 110.63,96.93 110.63,96.93 110.15,97.41 110.11,97.46 110.08,97.53 110.06,97.6 110.06,97.67 110.08,97.74 110.11,97.8 110.15,97.86 110.33,98.04 110.39,98.08 110.45,98.11 110.52,98.13 110.59,98.13 110.66,98.11 110.73,98.08 110.78,98.04 111.26,97.56 111.27,97.56 111.28,97.56 111.29,97.56 111.29,97.56 111.48,97.75 111.48,97.76 111.49,97.77 111.48,97.78 111.48,97.78 111,98.26 110.96,98.31 110.93,98.38 110.91,98.45 110.91,98.52 110.93,98.59 110.96,98.65 111,98.71 111.18,98.89 111.24,98.93 111.3,98.96 111.37,98.98 111.44,98.98 111.51,98.96 111.58,98.93 111.63,98.89 112.11,98.41 112.12,98.4 112.13,98.4 112.14,98.41 112.14,98.41 112.33,98.6 112.33,98.6 112.33,98.62 112.33,98.63 112.33,98.63 112.1,98.85 112.11,98.86 111.86,99.11 111.81,99.17 111.78,99.23 111.76,99.3 111.76,99.37 111.78,99.44 111.81,99.51 111.86,99.56 112.03,99.74 112.09,99.78 112.15,99.81 112.22,99.83 112.29,99.83 112.36,99.81 112.43,99.78 112.48,99.74 112.6,99.62 112.61,99.62 112.62,99.61 112.63,99.61 112.64,99.61 112.65,99.61 112.66,99.62 112.67,99.62 113.01,99.96 113.01,100.93 113.01,100.95 113,100.96 113,100.97 112.99,100.98 112.98,100.98 112.97,100.99 112.95,100.99 112.79,100.99 112.72,101 112.65,101.02 112.59,101.06 112.54,101.11 112.5,101.17 112.47,101.24 112.46,101.31 112.46,101.55 112.47,101.63 112.5,101.7 112.54,101.76 112.59,101.81 112.65,101.85 112.72,101.87 112.79,101.88 113.95,101.88 113.98,101.88 114.02,101.89 114.05,101.91 114.07,101.94 114.09,101.97 114.1,102 114.1,102.03 114.1,102.07 114.09,102.1 114.07,102.13 114.05,102.16 114.02,102.17 113.98,102.19 113.95,102.19 112.79,102.19 112.72,102.2 112.65,102.22 112.59,102.26 112.54,102.31 112.5,102.37 112.47,102.44 112.46,102.51 112.46,102.75 112.47,102.83 112.5,102.9 112.54,102.96 112.59,103.01 112.65,103.05 112.72,103.07 112.79,103.08 112.95,103.08 112.97,103.08 112.98,103.09 112.99,103.09 113,103.1 113,103.11 113.01,103.12 113.01,103.13 113.01,103.37 114.82,105.18 115.77,105.18 116.2,105.6 v1(116.2,105.79)